# Altium PCB communication.PcbDoc
Units mm, origin at the board's own origin, x right, y up, seen from the top; angles counter-clockwise.
Board outline 202 x 202 mm, 2 copper layers (Top Layer, Bottom Layer), stack 1.571 mm thick; 128 components, 84 nets, 386 pads, 36 vias.
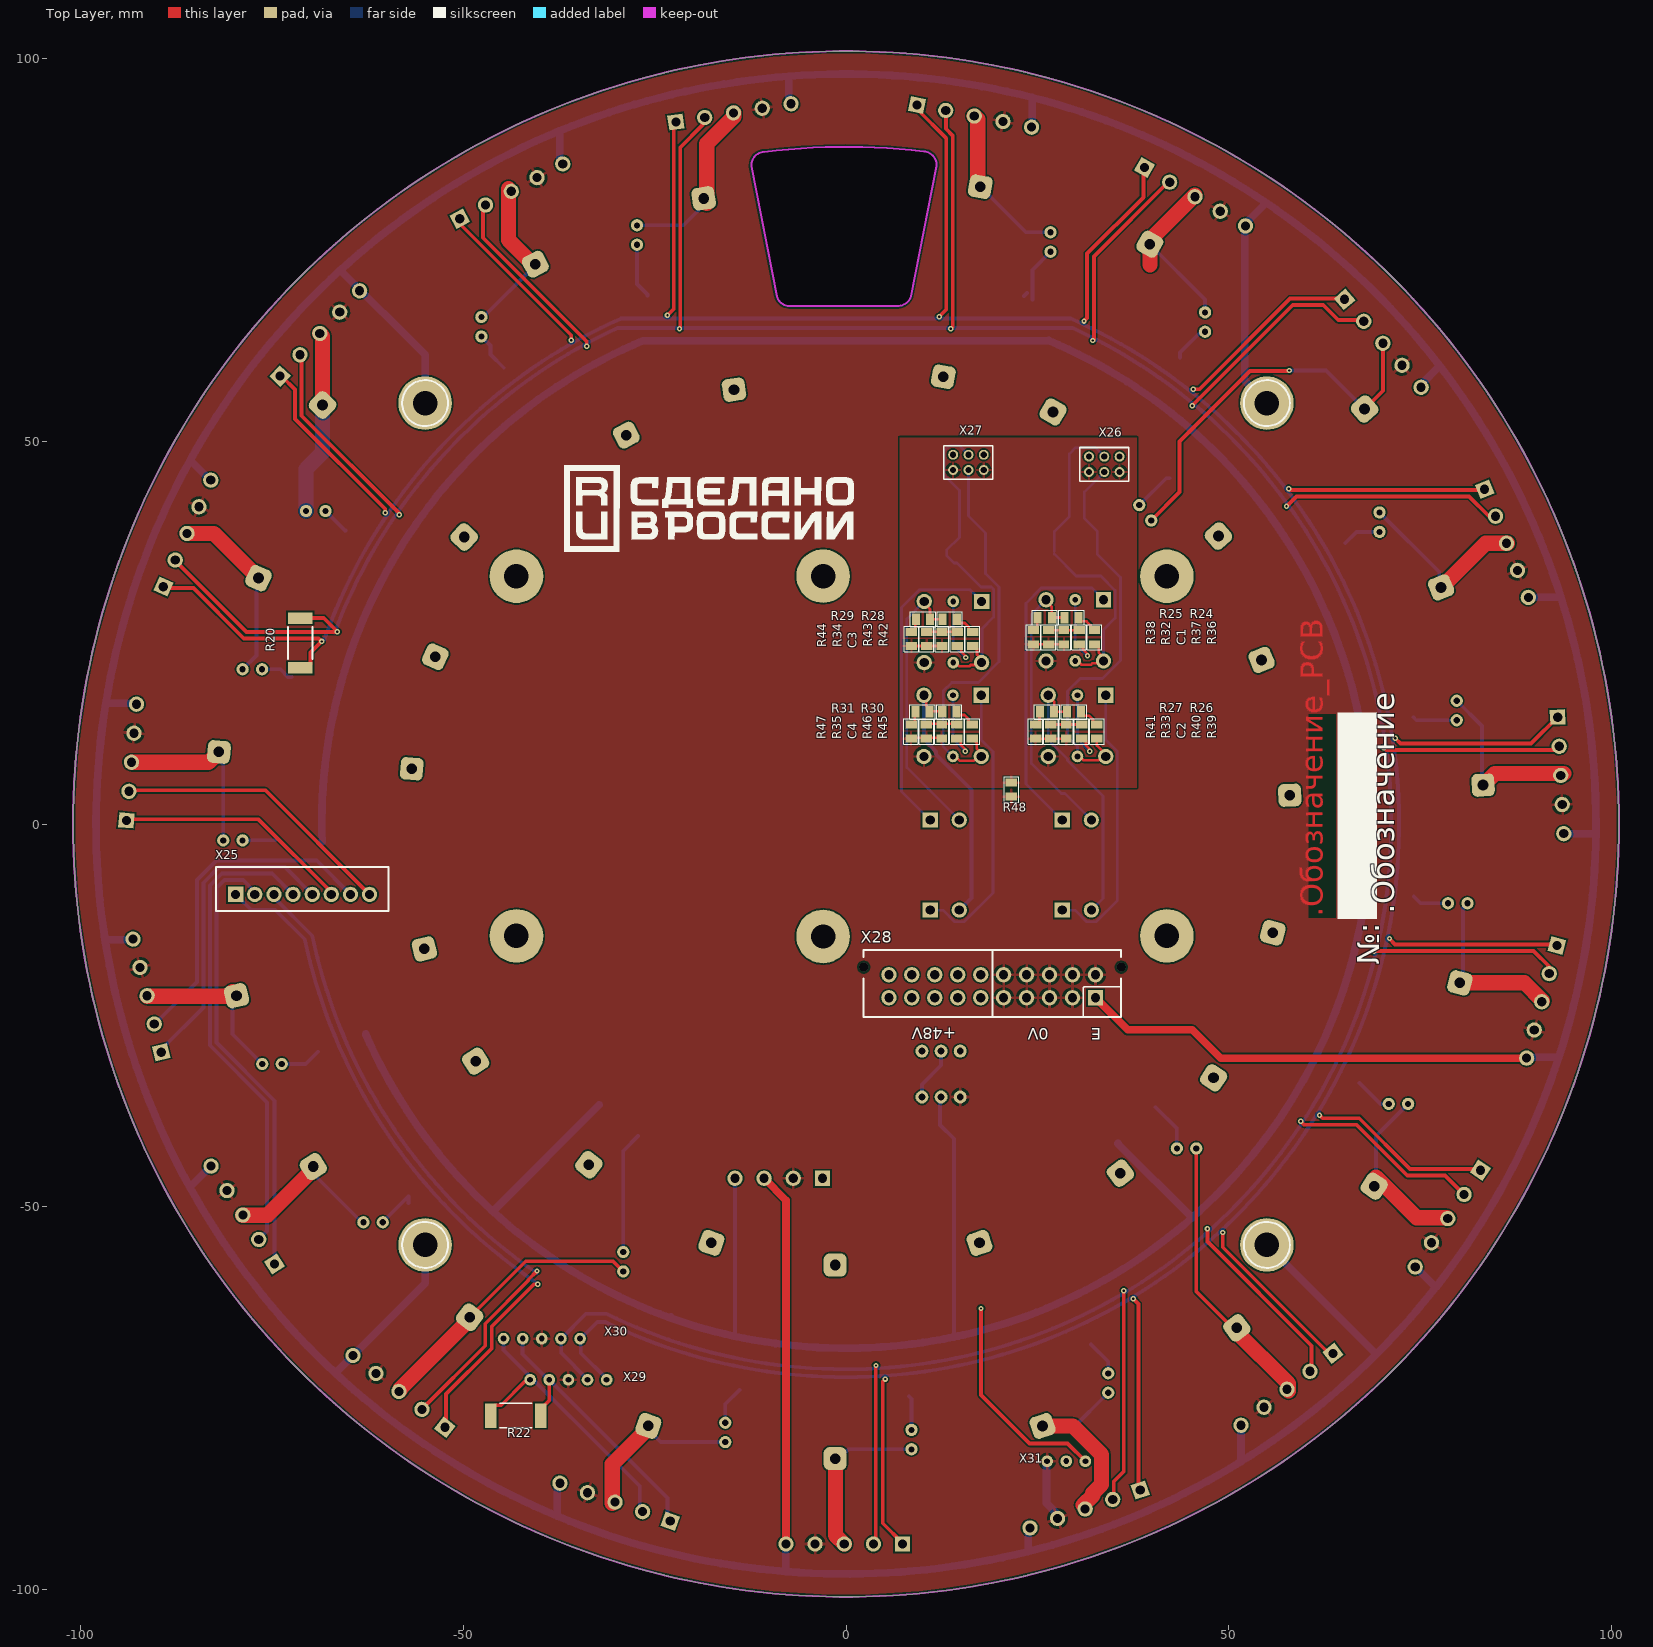
[diagram p0: Top Layer view]
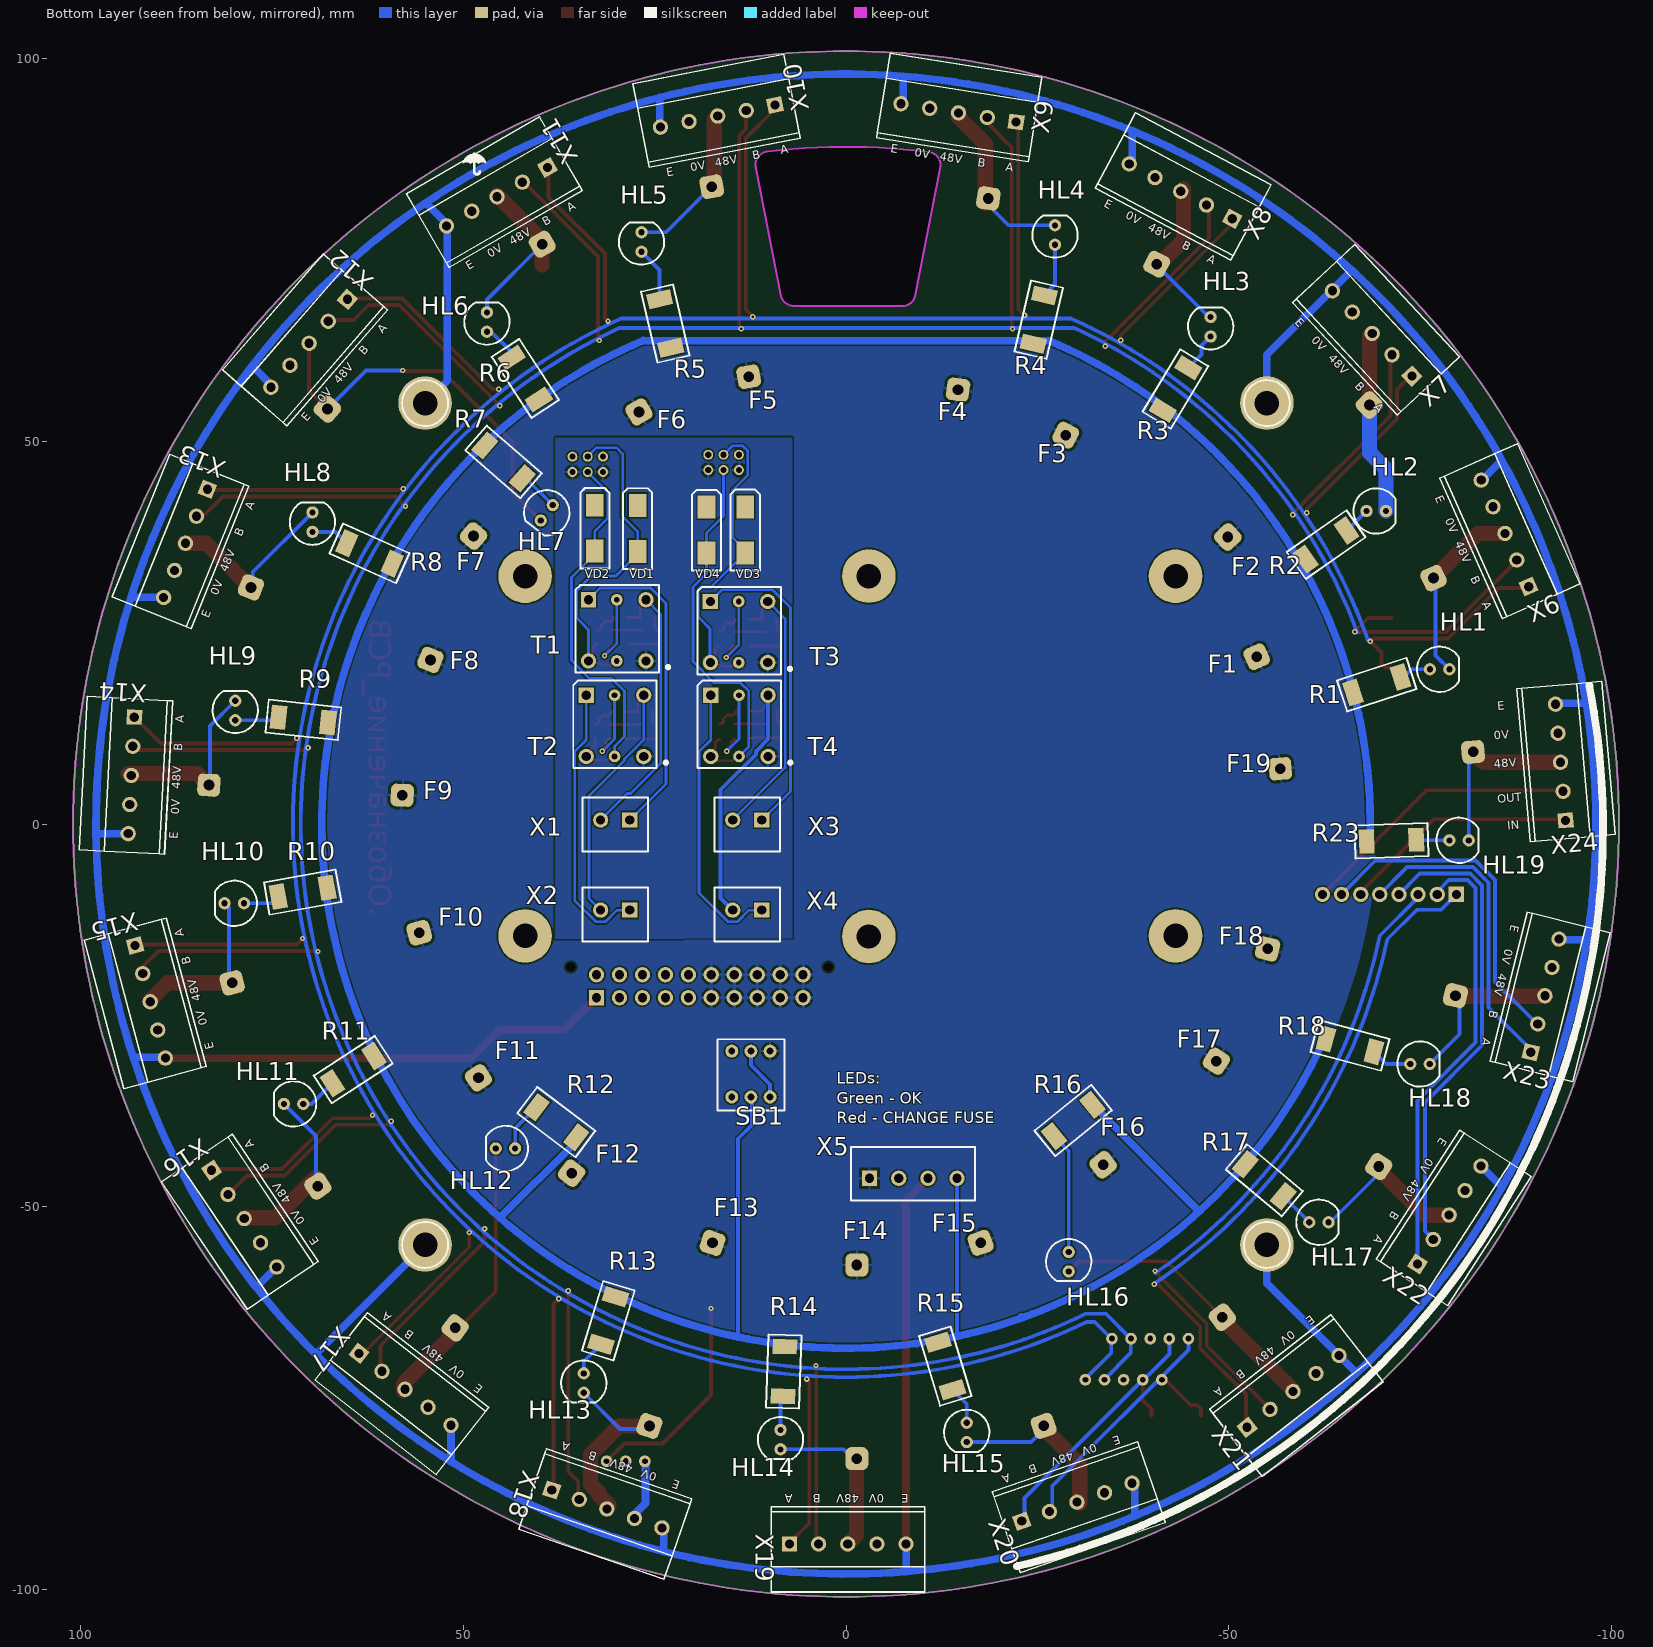
[diagram p1: Bottom Layer view, seen from below]
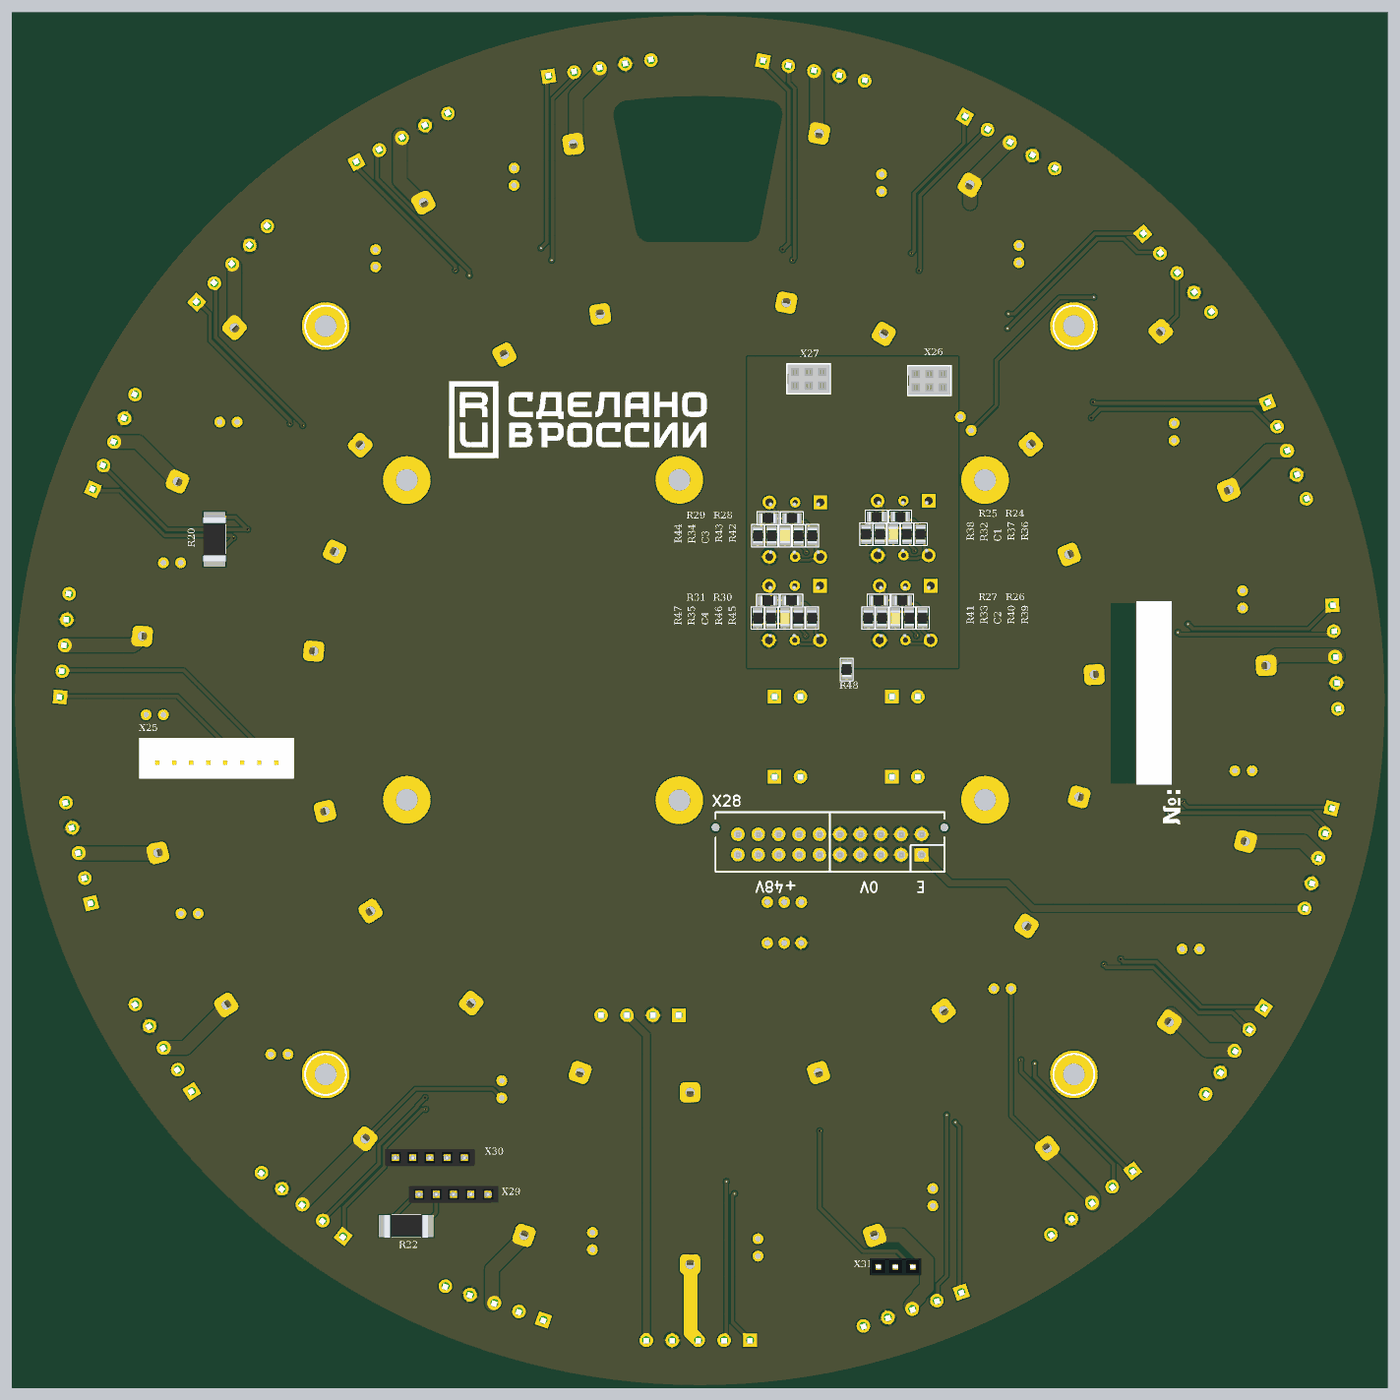
[diagram p2: 3D render of the assembled board from above, using the file's embedded part models]
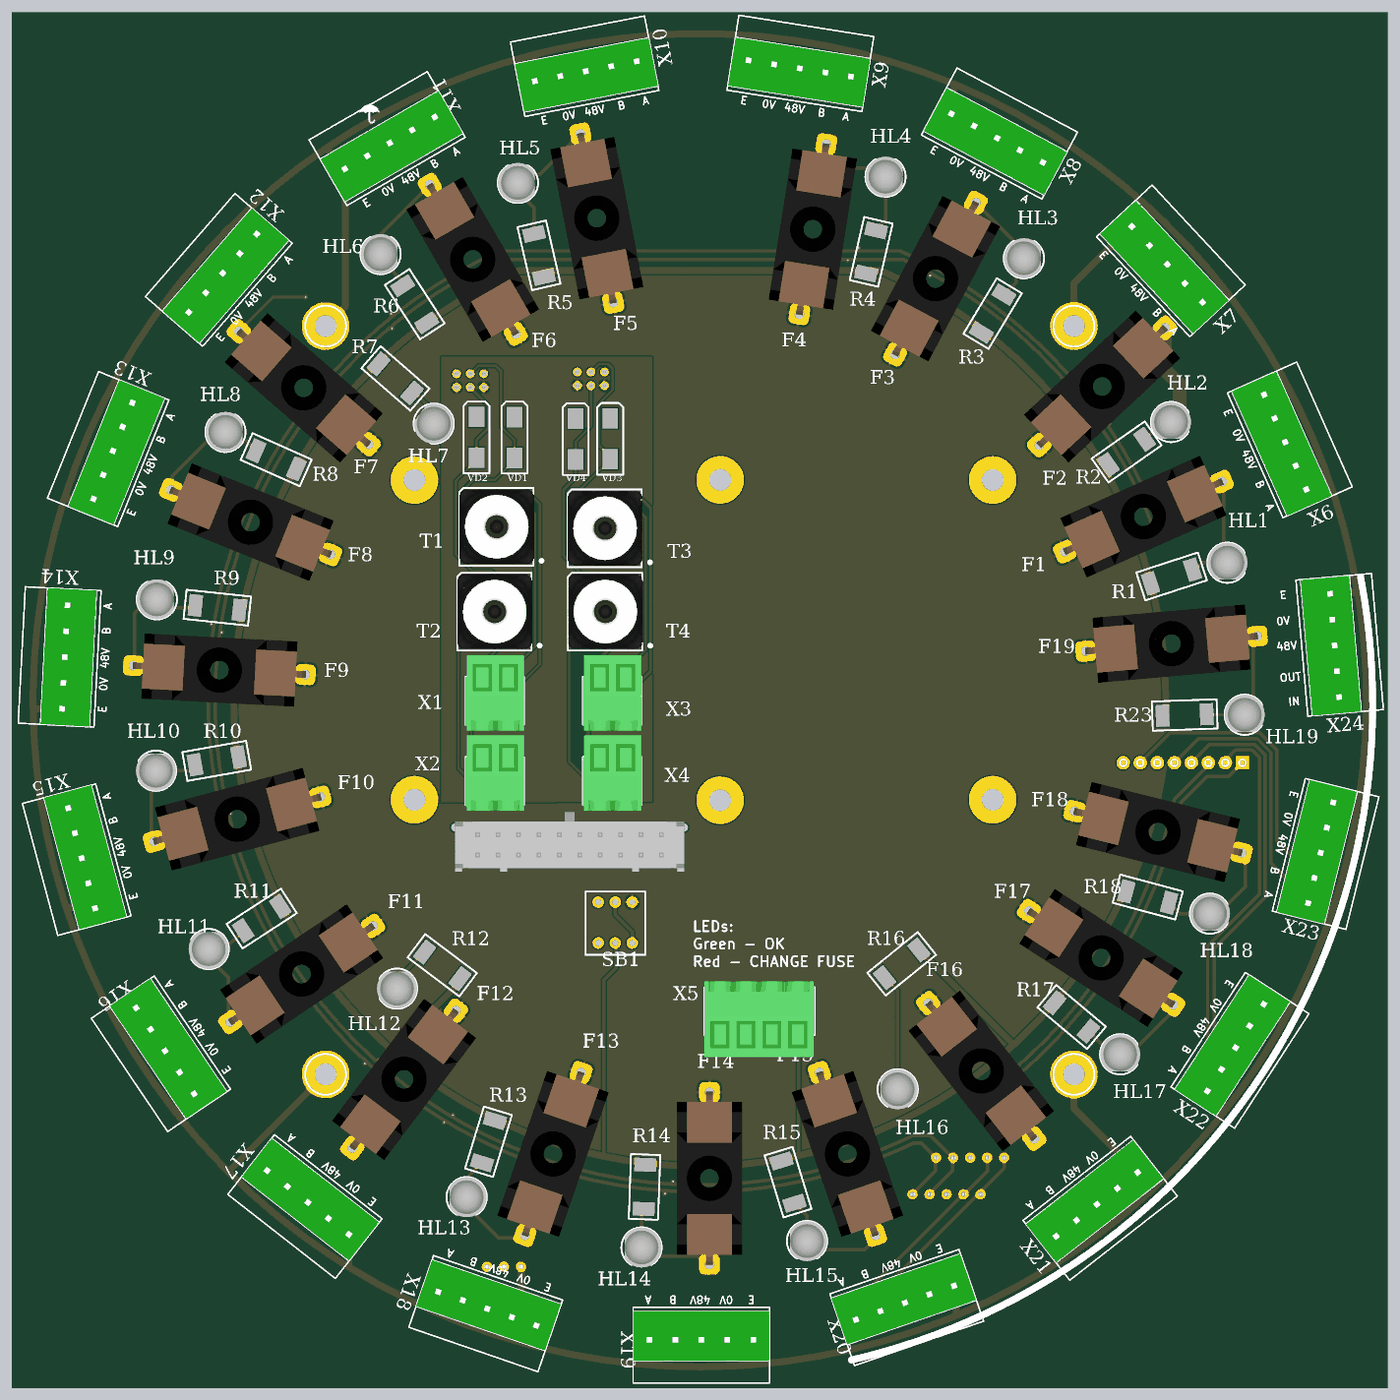
[diagram p3: 3D render of the assembled board from below, using the file's embedded part models]

## Layer stack, top to bottom
Top Solder: solder mask 0.0102, Solder Resist, Dk 3.5
Top Layer: signal copper 0.0356
Dielectric1: dielectric 1.5, FR-4, Dk 4.8
Bottom Layer: signal copper 0.0356
Bottom Solder: solder mask 0.0102, Solder Resist, Dk 3.5

## Board outline
-101,0 ccw(c0,0) 0,-101 ccw(c0,0) 101,0 ccw(c0,0) 0,101 ccw(c0,0)
cut-out: -9.035,68.943 -12.37,85.936 -12.368,85.936 cw(c-10.586,86.059) -10.711,87.84 -10.711,87.836 cw(c-0.006,-0.668) 10.166,87.899 cw(c10.042,86.117) 11.824,85.994 8.491,68.968 cw(c6.78,69.479) 6.903,67.697 6.903,67.673 -7.447,67.673 -7.447,67.672 cw(c-7.324,69.453)

## Design rules (kind name [scope] priority, off if disabled: settings)
Clearance "Clearance-1 1 Oz" [All] p1: gap=0.2 ignorepadtopadclearanceinfootprint=FALSE except(0.25: Arc-Hole Track-Hole SMDPad-Hole THPad-Hole Via-Hole Fill-Hole Poly-Hole Region-Hole Text-Hole) // Standart
DiffPairsRouting [All] p1: maxlimit=0.35 minlimit=0.35 mostfreqgap=0.35 toplayer_minwidth=0.381 toplayer_maxwidth=0.381 toplayer_prefwidth=0.381 bottomlayer_minwidth=0.381 bottomlayer_maxwidth=0.381 bottomlayer_prefwidth=0.381 maxuncoupledlength=12.7
Height [All] p1: minheight=0 maxheight=300.4 prefheight=12.7
HoleSize [All] p1: absolutevalues=TRUE maxlimit=21 minlimit=0.025 maxpercent=80.000 minpercent=20.000
HoleToHoleClearance Hole2HoleClearance [All] p1: gap=0.25 allowstackedmicrovias=FALSE
MinimumAnnularRing "Minimum AR VIA Standart" [IsVia] p1: minimumring=0.15
MinimumAnnularRing "Minimum AR PAD Standart" [IsPAD] p2: minimumring=0.2
MinimumSolderMaskSliver "SolderMask Bridge Standart" [All] p1: minsoldermaskwidth=0.15 // All Masks
MinimumSolderMaskSliver "SolderMask Bridge Advance" [All] p2: minsoldermaskwidth=0.1 // Mask LDI
PlaneClearance "PlaneClearance 3 Oz" [All] p1: clearance=0.35
PlaneClearance "PlaneClearance 2 Oz" [All] p2: clearance=0.3
PlaneClearance "PlaneClearance 1 Oz" [All] p3: clearance=0.2
PlaneClearance "PlaneClearance-1 1/2 Oz" [All] p4: clearance=0.2 // Standart
PlaneClearance "PlaneClearance-2 1/2 Oz" [All] p5: clearance=0.15 // Advance
PlaneConnect "TermalConnect 3 Oz" [All] p1: planeconnectstyle=Relief reliefexpansion=0.2 reliefentries=4 reliefconductorwidth=0.35 reliefairgap=0.35 // Standart
PlaneConnect "TermalConnect 2 Oz" [All] p2: planeconnectstyle=Relief reliefexpansion=0.2 reliefentries=4 reliefconductorwidth=0.3 reliefairgap=0.3 // Standart
PlaneConnect "TermalConnect-1 1 Oz" [All] p3: planeconnectstyle=Relief reliefexpansion=0.2 reliefentries=4 reliefconductorwidth=0.2 reliefairgap=0.2 // Standart
PlaneConnect "TermalConnect-2 1 Oz" [All] p4: pad.planeconnectstyle=Relief pad.reliefexpansion=0.15 pad.reliefentries=4 pad.reliefconductorwidth=0.2 pad.reliefairgap=0.2 via.planeconnectstyle=Direct via.reliefexpansion=0.15 via.reliefentries=4 via.reliefconductorwidth=0.15 via.reliefairgap=0.15 // Advance
PlaneConnect "TermalConnect-1 1/2 Oz" [All] p5: planeconnectstyle=Relief reliefexpansion=0.2 reliefentries=4 reliefconductorwidth=0.2 reliefairgap=0.2 // Standart
PlaneConnect "TermalConnect-2 1/2 Oz" [All] p6: pad.planeconnectstyle=Relief pad.reliefexpansion=0.15 pad.reliefentries=4 pad.reliefconductorwidth=0.15 pad.reliefairgap=0.15 via.planeconnectstyle=Direct via.reliefexpansion=0.15 via.reliefentries=4 via.reliefconductorwidth=0.15 via.reliefairgap=0.15 // Advance
PolygonConnect "PolygonConnect 3 Oz" [All] p1: thpad.connectstyle=Relief thpad.reliefconductorwidth=0.35 thpad.reliefentries=4 thpad.polygonreliefangle="90 Angle" thpad.airgapwidth=0.35 smdpad.connectstyle=Relief smdpad.reliefconductorwidth=0.35 smdpad.reliefentries=4 smdpad.polygonreliefangle="90 Angle" smdpad.airgapwidth=0.35 via.connectstyle=Direct via.reliefconductorwidth=0.254 via.reliefentries=4 via.polygonreliefangle="90 Angle" via.airgapwidth=0.254
PolygonConnect "PolygonConnect 2 Oz" [All] p2: thpad.connectstyle=Relief thpad.reliefconductorwidth=0.3 thpad.reliefentries=4 thpad.polygonreliefangle="90 Angle" thpad.airgapwidth=0.3 smdpad.connectstyle=Relief smdpad.reliefconductorwidth=0.3 smdpad.reliefentries=4 smdpad.polygonreliefangle="90 Angle" smdpad.airgapwidth=0.3 via.connectstyle=Direct via.reliefconductorwidth=0.254 via.reliefentries=4 via.polygonreliefangle="90 Angle" via.airgapwidth=0.254
PolygonConnect "PolygonConnect-1 1 Oz" [All] p3: thpad.connectstyle=Relief thpad.reliefconductorwidth=0.2 thpad.reliefentries=4 thpad.polygonreliefangle="90 Angle" thpad.airgapwidth=0.2 smdpad.connectstyle=Relief smdpad.reliefconductorwidth=0.2 smdpad.reliefentries=4 smdpad.polygonreliefangle="90 Angle" smdpad.airgapwidth=0.2 via.connectstyle=Direct via.reliefconductorwidth=0.254 via.reliefentries=4 via.polygonreliefangle="90 Angle" via.airgapwidth=0.254 // Standart
PolygonConnect "PolygonConnect-2 1 Oz" [All] p4: thpad.connectstyle=Relief thpad.reliefconductorwidth=0.15 thpad.reliefentries=4 thpad.polygonreliefangle="90 Angle" thpad.airgapwidth=0.15 smdpad.connectstyle=Relief smdpad.reliefconductorwidth=0.15 smdpad.reliefentries=4 smdpad.polygonreliefangle="90 Angle" smdpad.airgapwidth=0.15 via.connectstyle=Direct via.reliefconductorwidth=0.254 via.reliefentries=4 via.polygonreliefangle="90 Angle" via.airgapwidth=0.254 // Advance
PolygonConnect "PolygonConnect-1 1/2 Oz" [All] p5: thpad.connectstyle=Relief thpad.reliefconductorwidth=0.15 thpad.reliefentries=4 thpad.polygonreliefangle="90 Angle" thpad.airgapwidth=0.2 smdpad.connectstyle=Relief smdpad.reliefconductorwidth=0.2 smdpad.reliefentries=4 smdpad.polygonreliefangle="90 Angle" smdpad.airgapwidth=0.2 via.connectstyle=Direct via.reliefconductorwidth=0.254 via.reliefentries=4 via.polygonreliefangle="90 Angle" via.airgapwidth=0.254 // Standart
PolygonConnect "PolygonConnect-2 1/2 Oz" [All] p6: thpad.connectstyle=Relief thpad.reliefconductorwidth=0.125 thpad.reliefentries=4 thpad.polygonreliefangle="90 Angle" thpad.airgapwidth=0.15 smdpad.connectstyle=Relief smdpad.reliefconductorwidth=0.125 smdpad.reliefentries=4 smdpad.polygonreliefangle="90 Angle" smdpad.airgapwidth=0.15 via.connectstyle=Direct via.reliefconductorwidth=0.254 via.reliefentries=4 via.polygonreliefangle="90 Angle" via.airgapwidth=0.254 // Advance
RoutingVias [All] p1: holewidth=0.3 width=0.6 viastyle="Through Hole" minholewidth=0.2 minwidth=0.4 maxholewidth=5.9 maxwidth=6.4
SilkToSilkClearance Silk2SilkClearance [All] p1 off: silktosilkclearance=0.15
SilkToSolderMaskClearance Silk2SolderMaskClearance [IsPad] p1 off: minsilkscreentomaskgap=0.15 clearancetoexposedcopper=TRUE
SolderMaskExpansion SolderMaskExpansion-1 [All] p1: expansion=0.05 istentingtop=FALSE // Standart
SolderMaskExpansion "SolderMaskExpansion LDI" [All] p2: expansion=0.025 istentingtop=FALSE // Advance
Width "Width 1 Oz" [All] p1: maxlimit=10 minlimit=0.15 preferedwidth=0.2 checkconnectedcopper=TRUE
21 further rules are at their usual default settings.

## Classes and differential pairs
component class communication2: C1 C2 C3 C4 R24 R25 R26 R27 R28 R29 R30 R31 R32 R33 R34 R35 R36 R37 R38 R39 R40 R41 R42 R43 R44 R45 R46 R47 T1 T2 T3 T4 VD1 VD2 VD3 VD4 X1 X2 X3 X4 X5
component class communication: 0 125 F1 F2 F3 F4 F5 F6 F7 F8 F9 F10 F11 F12 F13 F14 F15 F16 F17 F18 F19 HL1 HL2 HL3 HL4 HL5 HL6 HL7 HL8 HL9 HL10 HL11 HL12 HL13 HL14 HL15 HL16 HL17 HL18 HL19 R1 R2 R3 R4 R5 R6 R7 R8 R9 R10 R11 R12 R13 R14 R15 R16 R17 R18 R20 R22 R23 R48 SB1 X6 X7 X8 X9 X10 X11 X12 X13 X14 X15 X16 X17 X18 X19 X20 X21 X22 X23 X24 X25 X26 X27 X28 X29 X30 X31

## Components (designator, comment, footprint, x,y, rotation, side; value= is the part's Value field where it differs from the comment)
C1 "Конденсатор керамический 50 В, 100 пФ ±5%, C0G, NP0, SMD 0805" CAP0805 28.472,24.407 r270 top value="100 pF"
C2 "Конденсатор керамический 50 В, 100 пФ ±5%, C0G, NP0, SMD 0805" CAP0805 28.777,12.075 r270 top value="100 pF"
C3 "Конденсатор керамический 50 В, 100 пФ ±5%, C0G, NP0, SMD 0805" CAP0805 12.546,24.181 r270 top value="100 pF"
C4 "Конденсатор керамический 50 В, 100 пФ ±5%, C0G, NP0, SMD 0805" CAP0805 12.5,12.075 r270 top value="100 pF"
F1 "Предохранитель 5х20" FH-520 -65.299,26.992 r336 bottom value=1А
F2 "Предохранитель 5х20" FH-520 -59.23,46.152 r317 bottom value=1А
F3 "Предохранитель 5х20" FH-520 -34.722,62.032 r298 bottom value=1А
F4 "Предохранитель 5х20" FH-520 -16.662,69.317 r279 bottom value=1А
F5 "Предохранитель 5х20" FH-520 15.112,70.948 r259 bottom value=1А
F6 "Предохранитель 5х20" FH-520 33.381,64.886 r240 bottom value=1А
F7 "Предохранитель 5х20" FH-520 58.25,46 r221 bottom value=1А
F8 "Предохранитель 5х20" FH-520 66.085,26.234 r202 bottom value=1А
F9 "Предохранитель 5х20" FH-520 70.688,4.47 r183 bottom value=1А
F10 "Предохранитель 5х20" FH-520 68.07,-17.47 r165 bottom value=1А
F11 "Предохранитель 5х20" FH-520 58.604,-40.259 r146 bottom value=1А
F12 "Предохранитель 5х20" FH-520 43.536,-55.77 r127 bottom value=1А
F13 "Предохранитель 5х20" FH-520 21.625,-66.756 r109 bottom value=1А
F14 "Предохранитель 5х20" FH-520 -1.387,-70.355 r90 bottom value=1А
F15 "Предохранитель 5х20" FH-520 -21.704,-66.767 r71 bottom value=1А
F16 "Предохранитель 5х20" FH-520 -41.405,-54.57 r52 bottom value=1А
F17 "Предохранитель 5х20" FH-520 -59.045,-37.948 r33 bottom value=1А
F18 "Предохранитель 5х20" FH-520 -67.431,-19.431 r14 bottom value=1А
F19 "Предохранитель 5х20" FH-520 -69.422,8.292 r355 bottom value=1А
HL1 "Светодиод красный/зеленый" "LED BI" -76.301,20.217 r180 bottom
HL2 "Светодиод красный/зеленый" "LED BI" -68.014,40.901 r180 bottom
HL3 "Светодиод красный/зеленый" "LED BI" -47.65,63.703 r90 bottom
HL4 "Светодиод красный/зеленый" "LED BI" -27.305,75.692 r90 bottom
HL5 "Светодиод красный/зеленый" "LED BI" 26.728,74.785 r90 bottom
HL6 "Светодиод красный/зеленый" "LED BI" 46.921,64.32 r90 bottom
HL7 "Светодиод красный/зеленый" "LED BI" 38.323,41.664 r308 bottom
HL8 "Светодиод красный/зеленый" "LED BI" 69.723,38.176 r90 bottom
HL9 "Светодиод красный/зеленый" "LED BI" 79.807,13.563 r90 bottom
HL10 "Светодиод красный/зеленый" "LED BI" 78.664,-10.363 r0 bottom
HL11 "Светодиод красный/зеленый" "LED BI" 70.917,-36.576 r0 bottom
HL12 "Светодиод красный/зеленый" "LED BI" 43.231,-42.393 r0 bottom
HL13 "Светодиод красный/зеленый" "LED BI" 34.265,-71.781 r270 bottom
HL14 "Светодиод красный/зеленый" "LED BI" 8.56,-79.172 r270 bottom
HL15 "Светодиод красный/зеленый" "LED BI" -15.773,-78.232 r270 bottom
HL16 "Светодиод красный/зеленый" "LED BI" -29.101,-55.924 r270 bottom
HL17 "Светодиод красный/зеленый" "LED BI" -60.528,-52.045 r180 bottom
HL18 "Светодиод красный/зеленый" "LED BI" -73.736,-31.369 r180 bottom
HL19 "Светодиод красный/зеленый" "LED BI" -78.841,-2.134 r180 bottom
R1 "Резистор 6,8 кОм ± 5%, SMD 2512" R2512#1 -72.441,19.202 r342 bottom value=6,8k
R2 "Резистор 6,8 кОм ± 5%, SMD 2512" R2512#1 -65.397,38.361 r325 bottom value=6,8k
R3 "Резистор 6,8 кОм ± 5%, SMD 2512" R2512#1 -44.722,59.621 r301 bottom value=6,8k
R4 "Резистор 6,8 кОм ± 5%, SMD 2512" R2512#1 -25.926,69.07 r283 bottom value=6,8k
R5 "6,8k" R2512#1 24.359,68.554 r257 bottom
R6 "Резистор 6,8 кОм ± 5%, SMD 2512" R2512#1 43.663,60.934 r237 bottom value=6,8k
R7 "Резистор 6,8 кОм ± 5%, SMD 2512" R2512#1 42.291,45.186 r41 bottom value=6,8k
R8 "Резистор 6,8 кОм ± 5%, SMD 2512" R2512#1 65.227,36.677 r204 bottom value=6,8k
R9 "Резистор 6,8 кОм ± 5%, SMD 2512" R2512#1 74.143,13.944 r186 bottom value=6,8k
R10 "6,8k" R2512#1 74.194,-9.474 r170 bottom
R11 "Резистор 6,8 кОм ± 5%, SMD 2512" R2512#1 67.107,-33.858 r147 bottom value=6,8k
R12 "Резистор 6,8 кОм ± 5%, SMD 2512" R2512#1 40.437,-37.008 r217 bottom value=6,8k
R13 "Резистор 6,8 кОм ± 5%, SMD 2512" R2512#1 32.004,-67.996 r107 bottom value=6,8k
R14 "Резистор 6,8 кОм ± 5%, SMD 2512" R2512#1 8.23,-74.778 r92 bottom value=6,8k
R15 "Резистор 6,8 кОм ± 5%, SMD 2512" R2512#1 -13.919,-73.94 r73 bottom value=6,8k
R16 "Резистор 6,8 кОм ± 5%, SMD 2512" R2512#1 -27.17,-40.785 r141 bottom value=6,8k
R17 "Резистор 6,8 кОм ± 5%, SMD 2512" R2512#1 -57.15,-48.641 r40 bottom value=6,8k
R18 "Резистор 6,8 кОм ± 5%, SMD 2512" R2512#1 -68.986,-29.769 r15 bottom value=6,8k
R20 "Резистор 120 Ом ± 5 %, SMD 0805" R2512#2 -71.316,23.662 r270 top value=120
R22 "Резистор 120 Ом ± 5 %, SMD 0805" R2512#2 -43.153,-77.294 r0 top value=120
R23 "Резистор 6,8 кОм ± 5%, SMD 2512" R2512#1 -74.523,-2.058 r358 bottom value=6,8k
R24 "Резистор 5,1 кОм  ± 1%, SMD 0805" RES0805 29.472,26.982 r180 top value=5,1k
R25 "Резистор 5,1 кОм  ± 1%, SMD 0805" RES0805 25.972,26.982 r0 top value=5,1k
R26 "Резистор 5,1 кОм  ± 1%, SMD 0805" RES0805 29.777,14.65 r180 top value=5,1k